# KiCad board kimotor-project.kicad_pcb (continued)
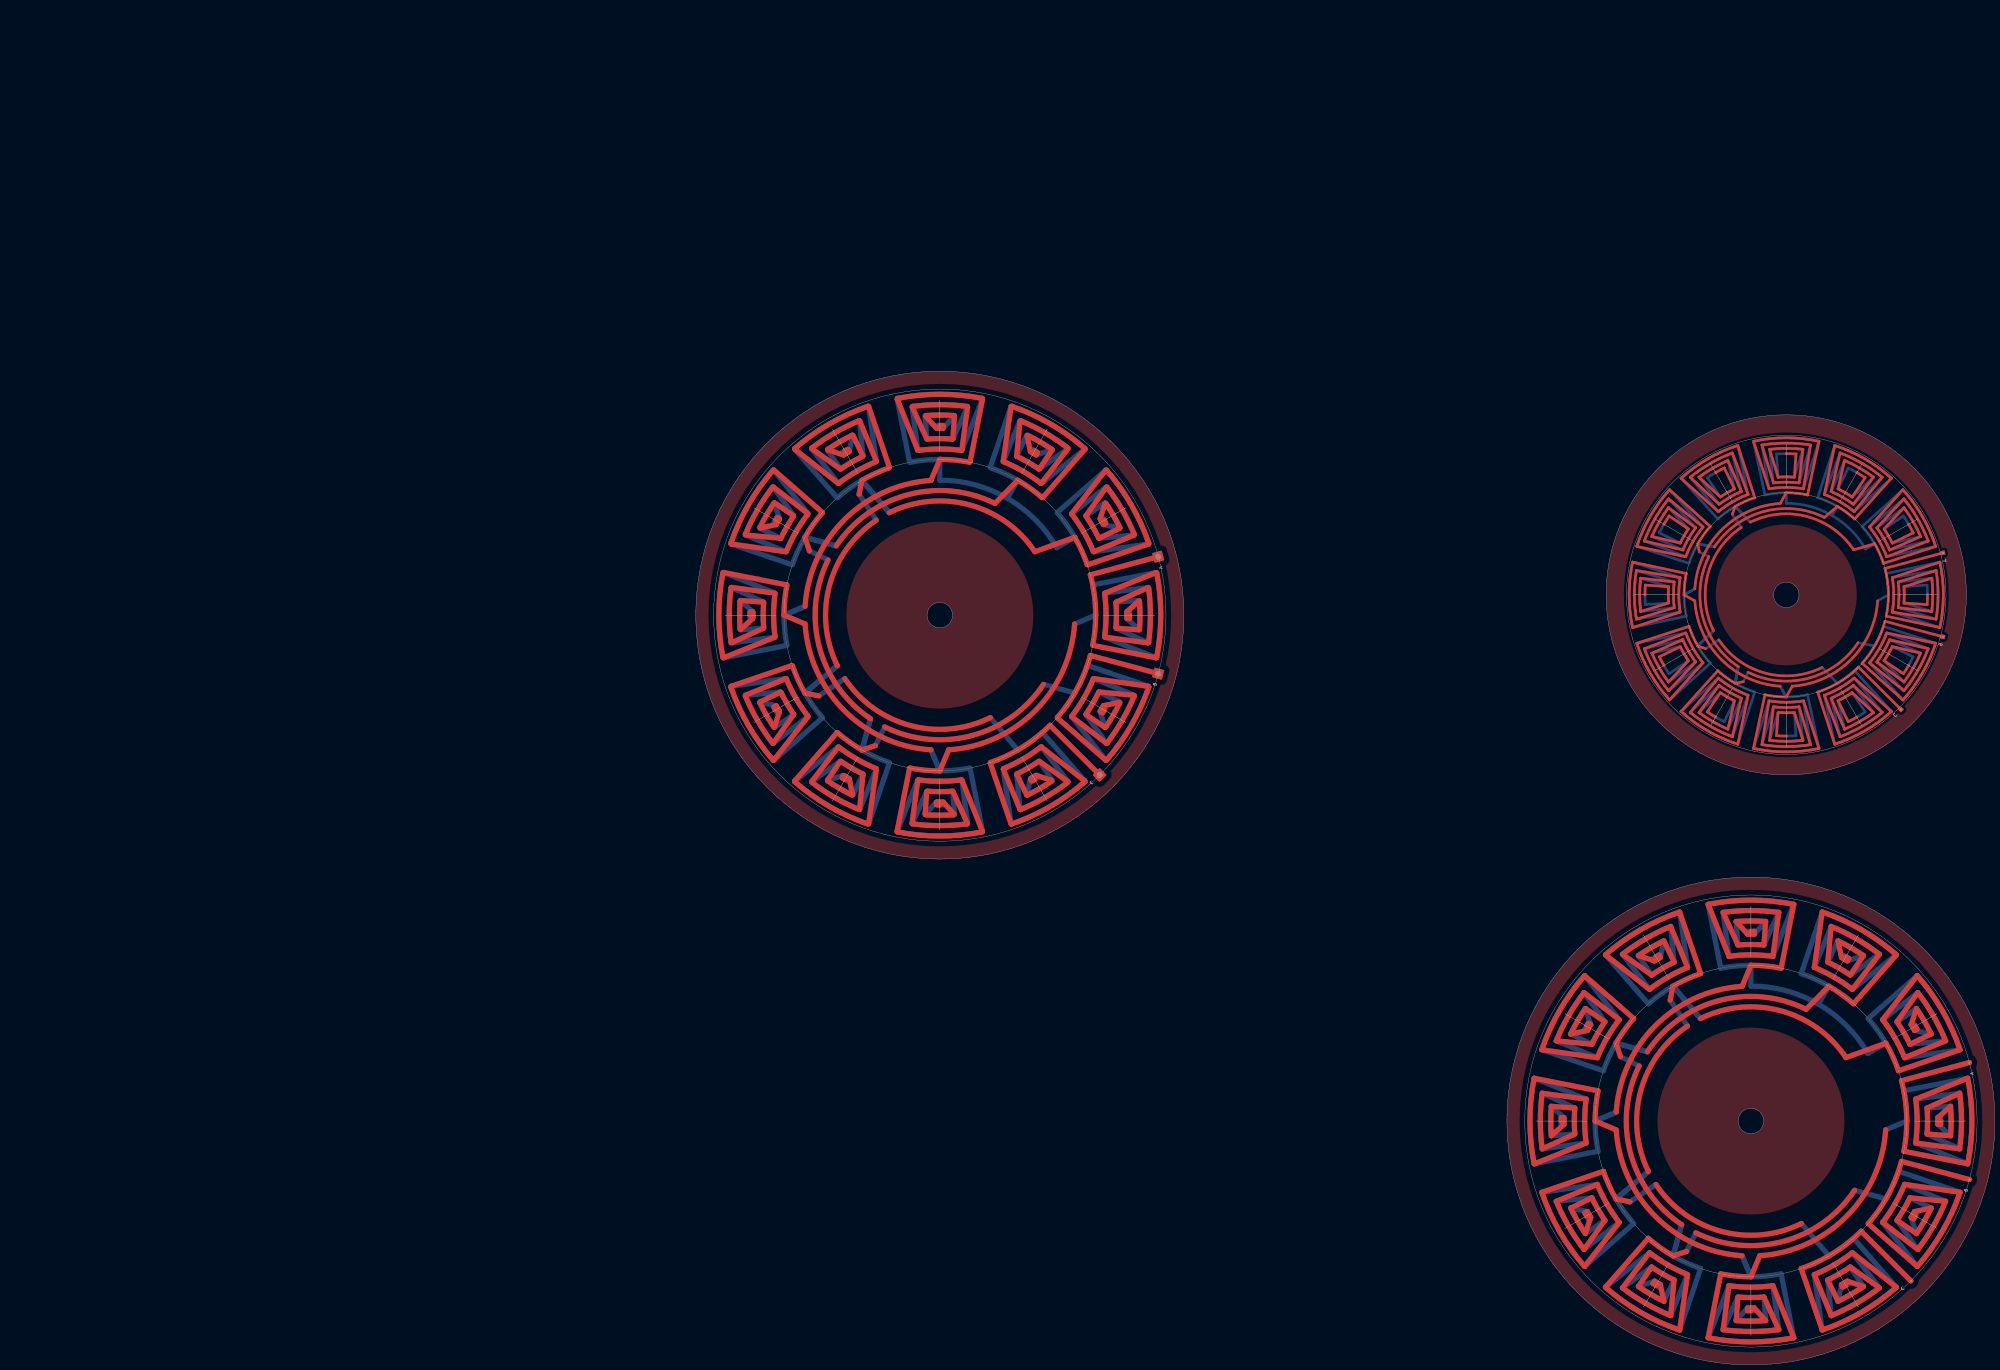
[diagram p0: board, top side]
## Routing (per net, layer and track width the routed paths; a pad name or vN(x,y) marks a point on that pad's centre or on a via; arc(x,y) is an arc through that point) (continued)
; -142.37,439.28 arc(-141.82,446.02) -142.37,452.76 ; -142.37,439.28 arc(-141.82,446.02) -142.37,452.76 ; -142.37,439.28 arc(-141.82,446.02) -142.37,452.76 ; -142.37,439.28 arc(-141.82,446.02) -142.37,452.76 ; -142.37,439.28 arc(-141.82,446.02) -142.37,452.76 ; -142.37,439.28 arc(-141.82,446.02) -142.37,452.76 ; -142.37,439.28 arc(-141.82,446.02) -142.37,452.76 ; -142.37,439.28 arc(-141.82,446.02) -142.37,452.76 ; -142.37,439.28 arc(-141.82,446.02) -142.37,452.76 ; -190.42,389.03 -187.09,399.93 ; -190.42,389.03 -187.09,399.93 ; -190.42,389.03 -187.09,399.93 ; -190.42,389.03 -187.09,399.93 ; -190.42,389.03 -187.09,399.93 ; -190.42,389.03 -187.09,399.93 ; -190.42,389.03 -187.09,399.93 ; -187.09,399.93 -190.36,389.53 ; -187.09,399.93 -190.36,389.53 ; -187.09,399.93 arc(-183.89,399.82) -180.69,399.93 ; -187.09,399.93 arc(-183.89,399.82) -180.69,399.93 ; -187.09,399.93 arc(-183.89,399.82) -180.69,399.93 ; -187.09,399.93 arc(-183.89,399.82) -180.69,399.93 ; -187.09,399.93 arc(-183.89,399.82) -180.69,399.93 ; -187.09,399.93 arc(-183.89,399.82) -180.69,399.93 ; -187.09,399.93 arc(-183.89,399.82) -180.69,399.93 ; -187.09,399.93 arc(-183.89,399.82) -180.69,399.93 ; -187.09,399.93 arc(-183.89,399.82) -180.69,399.93 ; -204.98,501.59 -201.47,486.51 ; -204.98,501.59 -201.47,486.51 ; -204.98,501.59 -201.47,486.51 ; -204.98,501.59 -201.47,486.51 ; -204.98,501.59 -201.47,486.51 ; -204.98,501.59 -201.47,486.51 ; -204.98,501.59 -201.47,486.51 ; -204.98,501.59 arc(-213.61,497.49) -221.47,492.07 ; -204.98,501.59 arc(-213.61,497.49) -221.47,492.07 ; -204.98,501.59 arc(-213.61,497.49) -221.47,492.07 ; -204.98,501.59 arc(-213.61,497.49) -221.47,492.07 ; -204.98,501.59 arc(-213.61,497.49) -221.47,492.07 ; -204.98,501.59 arc(-213.61,497.49) -221.47,492.07 ; -204.98,501.59 arc(-213.61,497.49) -221.47,492.07 ; -201.47,486.51 -204.8,501.12 ; -201.47,486.51 -204.8,501.12 ; -229.98,442.82 -239.05,442.2 ; -229.98,442.82 -238.56,442.23 ; -229.98,442.82 -238.56,442.23 ; -229.98,442.82 -239.05,442.2 ; -229.98,442.82 -239.05,442.2 ; -229.98,442.82 -239.05,442.2 ; -229.98,442.82 -239.05,442.2 ; -229.98,442.82 -239.05,442.2 ; -229.98,442.82 -239.05,442.2 ; -239.05,442.2 arc(-238.71,453.24) -239.19,446.02 ; -239.05,442.2 arc(-238.71,453.24) -239.19,446.02 ; -239.05,442.2 arc(-238.71,453.24) -239.19,446.02 ; -239.05,442.2 arc(-238.71,453.24) -239.19,446.02 ; -239.05,442.2 arc(-238.71,453.24) -239.19,446.02 ; -239.05,442.2 arc(-238.71,453.24) -239.19,446.02 ; -239.05,442.2 arc(-238.71,453.24) -239.19,446.02 ; -187.09,492.11 -187.72,501.19 ; -187.09,492.11 -187.72,501.19 ; -187.09,492.11 -187.68,500.69 ; -187.09,492.11 -187.72,501.19 ; -187.09,492.11 -187.68,500.69 ; -187.09,492.11 -187.72,501.19 ; -187.09,492.11 -187.72,501.19 ; -187.09,492.11 -187.72,501.19 ; -187.09,492.11 -187.72,501.19 ; -187.09,492.11 arc(-183.89,492.23) -180.69,492.11 ; -187.09,492.11 arc(-183.89,492.23) -180.69,492.11 ; -187.09,492.11 arc(-183.89,492.23) -180.69,492.11 ; -187.09,492.11 arc(-183.89,492.23) -180.69,492.11 ; -187.09,492.11 arc(-183.89,492.23) -180.69,492.11 ; -187.09,492.11 arc(-183.89,492.23) -180.69,492.11 ; -187.09,492.11 arc(-183.89,492.23) -180.69,492.11 ; -187.09,492.11 arc(-183.89,492.23) -180.69,492.11 ; -187.09,492.11 arc(-183.89,492.23) -180.69,492.11 ; -187.72,501.19 arc(-176.67,500.84) -183.89,501.32 ; -187.72,501.19 arc(-176.67,500.84) -183.89,501.32 ; -187.72,501.19 arc(-176.67,500.84) -183.89,501.32 ; -187.72,501.19 arc(-176.67,500.84) -183.89,501.32 ; -187.72,501.19 arc(-176.67,500.84) -183.89,501.32 ; -187.72,501.19 arc(-176.67,500.84) -183.89,501.32 ; -187.72,501.19 arc(-176.67,500.84) -183.89,501.32 ; -196.61,386.36 -190.63,404.5 ; -196.61,386.36 -190.63,404.5 ; -196.61,386.36 arc(-183.89,385.02) -171.17,386.36 ; -196.61,386.36 arc(-183.89,385.02) -171.17,386.36 ; -190.63,404.5 -196.72,385.87 ; -190.63,404.5 -196.72,385.87 ; -190.63,404.5 -196.72,385.87 ; -190.63,404.5 -196.72,385.87 ; -190.63,404.5 -196.72,385.87 ; -190.63,404.5 -196.72,385.87 ; -190.63,404.5 -196.72,385.87 ; -206.73,498.64 -204.17,487.54 ; -206.73,498.64 -204.17,487.54 ; -206.73,498.64 -204.17,487.54 ; -206.73,498.64 -204.17,487.54 ; -206.73,498.64 -204.17,487.54 ; -206.73,498.64 -204.17,487.54 ; -206.73,498.64 -204.17,487.54 ; -204.17,487.54 -206.53,498.18 ; -204.17,487.54 -206.53,498.18 ; -204.17,487.54 arc(-206.99,486.04) -209.71,484.34 ; -204.17,487.54 arc(-206.99,486.04) -209.71,484.34 ; -204.17,487.54 arc(-206.99,486.04) -209.71,484.34 ; -204.17,487.54 arc(-206.99,486.04) -209.71,484.34 ; -204.17,487.54 arc(-206.99,486.04) -209.71,484.34 ; -204.17,487.54 arc(-206.99,486.04) -209.71,484.34 ; -204.17,487.54 arc(-206.99,486.04) -209.71,484.34 ; -204.17,487.54 arc(-206.99,486.04) -209.71,484.34 ; -204.17,487.54 arc(-206.99,486.04) -209.71,484.34 ; -244.04,458.85 arc(-245.39,446.02) -244.04,433.2 ; -244.04,458.85 arc(-245.39,446.02) -244.04,433.2 ; -244.04,458.85 arc(-245.39,446.02) -244.04,433.2 ; -244.04,458.85 arc(-245.39,446.02) -244.04,433.2 ; -244.04,458.85 arc(-245.39,446.02) -244.04,433.2 ; -244.04,458.85 arc(-245.39,446.02) -244.04,433.2 ; -244.04,458.85 arc(-245.39,446.02) -244.04,433.2 ; -158.08,407.7 -153,400.16 ; -158.08,407.7 -153,400.16 ; -158.08,407.7 -153,400.16 ; -158.08,407.7 -153,400.16 ; -158.08,407.7 -153.27,400.58 ; -158.08,407.7 -153,400.16 ; -158.08,407.7 -153.27,400.58 ; -158.08,407.7 -153,400.16 ; -158.08,407.7 -153,400.16 ; -153,400.16 arc(-162.73,394.93) -156.24,398.13 ; -153,400.16 arc(-162.73,394.93) -156.24,398.13 ; -153,400.16 arc(-162.73,394.93) -156.24,398.13 ; -153,400.16 arc(-162.73,394.93) -156.24,398.13 ; -153,400.16 arc(-162.73,394.93) -156.24,398.13 ; -153,400.16 arc(-162.73,394.93) -156.24,398.13 ; -153,400.16 arc(-162.73,394.93) -156.24,398.13 ; -138.21,404.84 -151.3,419.42 ; -138.21,404.84 -151.3,419.42 ; -138.21,404.84 -151.3,419.42 ; -138.21,404.84 -151.3,419.42 ; -138.21,404.84 -151.3,419.42 ; -138.21,404.84 -151.3,419.42 ; -138.21,404.84 -151.3,419.42 ; -138.21,404.84 arc(-130.63,415.27) -125.39,427.05 ; -138.21,404.84 arc(-130.63,415.27) -125.39,427.05 ; -138.21,404.84 arc(-130.63,415.27) -125.39,427.05 ; -138.21,404.84 arc(-130.63,415.27) -125.39,427.05 ; -138.21,404.84 arc(-130.63,415.27) -125.39,427.05 ; -138.21,404.84 arc(-130.63,415.27) -125.39,427.05 ; -138.21,404.84 arc(-130.63,415.27) -125.39,427.05 ; -151.3,419.42 -138.58,405.18 ; -151.3,419.42 -138.58,405.18 ; -151.3,419.42 arc(-147.46,424.99) -144.56,431.1 ; -151.3,419.42 arc(-147.46,424.99) -144.56,431.1 ; -151.3,419.42 arc(-147.46,424.99) -144.56,431.1 ; -151.3,419.42 arc(-147.46,424.99) -144.56,431.1 ; -151.3,419.42 arc(-147.46,424.99) -144.56,431.1 ; -151.3,419.42 arc(-147.46,424.99) -144.56,431.1 ; -151.3,419.42 arc(-147.46,424.99) -144.56,431.1 ; -151.3,419.42 arc(-147.46,424.99) -144.56,431.1 ; -151.3,419.42 arc(-147.46,424.99) -144.56,431.1 ; -209.71,484.34 -214.79,491.88 ; -209.71,484.34 -214.79,491.88 ; -209.71,484.34 -214.51,491.47 ; -209.71,484.34 -214.51,491.47 ; -209.71,484.34 -214.79,491.88 ; -209.71,484.34 -214.79,491.88 ; -209.71,484.34 -214.79,491.88 ; -209.71,484.34 -214.79,491.88 ; -209.71,484.34 -214.79,491.88 ; -214.79,491.88 arc(-205.05,497.11) -211.54,493.91 ; -214.79,491.88 arc(-205.05,497.11) -211.54,493.91 ; -214.79,491.88 arc(-205.05,497.11) -211.54,493.91 ; -214.79,491.88 arc(-205.05,497.11) -211.54,493.91 ; -214.79,491.88 arc(-205.05,497.11) -211.54,493.91 ; -214.79,491.88 arc(-205.05,497.11) -211.54,493.91 ; -214.79,491.88 arc(-205.05,497.11) -211.54,493.91 ; -146.63,400.36 arc(-154.42,394.99) -162.98,390.92 ; -146.63,400.36 arc(-154.42,394.99) -162.98,390.92 ; -202.86,504.52 -198.82,485.35 ; -202.86,504.52 -198.82,485.35 ; -202.86,504.52 -198.82,485.35 ; -202.86,504.52 -198.82,485.35 ; -202.86,504.52 -198.82,485.35 ; -202.86,504.52 -198.82,485.35 ; -202.86,504.52 -198.82,485.35 ; -198.82,485.35 -202.7,504.05 ; -198.82,485.35 -202.7,504.05 ; -198.82,485.35 arc(-204.92,482.45) -210.49,478.61 ; -198.82,485.35 arc(-204.92,482.45) -210.49,478.61 ; -198.82,485.35 arc(-204.92,482.45) -210.49,478.61 ; -198.82,485.35 arc(-204.92,482.45) -210.49,478.61 ; -198.82,485.35 arc(-204.92,482.45) -210.49,478.61 ; -198.82,485.35 arc(-204.92,482.45) -210.49,478.61 ; -198.82,485.35 arc(-204.92,482.45) -210.49,478.61 ; -198.82,485.35 arc(-204.92,482.45) -210.49,478.61 ; -198.82,485.35 arc(-204.92,482.45) -210.49,478.61 ; -137.85,408.44 -148.43,419.75 ; -137.85,408.44 -148.43,419.75 ; -137.85,408.44 -148.43,419.75 ; -137.85,408.44 -148.43,419.75 ; -137.85,408.44 -148.43,419.75 ; -137.85,408.44 -148.43,419.75 ; -137.85,408.44 -148.43,419.75 ; -137.85,408.44 arc(-132.42,416.31) -128.33,424.94 ; -137.85,408.44 arc(-132.42,416.31) -128.33,424.94 ; -137.85,408.44 arc(-132.42,416.31) -128.33,424.94 ; -137.85,408.44 arc(-132.42,416.31) -128.33,424.94 ; -137.85,408.44 arc(-132.42,416.31) -128.33,424.94 ; -137.85,408.44 arc(-132.42,416.31) -128.33,424.94 ; -137.85,408.44 arc(-132.42,416.31) -128.33,424.94 ; -148.43,419.75 -138.23,408.76 ; -148.43,419.75 -138.23,408.76 ; -148.43,419.75 arc(-145.67,423.95) -143.41,428.45 ; -148.43,419.75 arc(-145.67,423.95) -143.41,428.45 ; -148.43,419.75 arc(-145.67,423.95) -143.41,428.45 ; -148.43,419.75 arc(-145.67,423.95) -143.41,428.45 ; -148.43,419.75 arc(-145.67,423.95) -143.41,428.45 ; -148.43,419.75 arc(-145.67,423.95) -143.41,428.45 ; -148.43,419.75 arc(-145.67,423.95) -143.41,428.45 ; -148.43,419.75 arc(-145.67,423.95) -143.41,428.45 ; -148.43,419.75 arc(-145.67,423.95) -143.41,428.45 ; -225.42,439.28 -242.55,436.5 ; -225.42,439.28 -242.55,436.5 ; -225.42,439.28 -242.55,436.5 ; -225.42,439.28 -242.06,436.58 ; -225.42,439.28 -242.55,436.5 ; -225.42,439.28 -242.06,436.58 ; -225.42,439.28 -242.55,436.5 ; -225.42,439.28 -242.55,436.5 ; -225.42,439.28 -242.55,436.5 ; -242.55,436.5 arc(-243.32,446.02) -242.55,455.54 ; -242.55,436.5 arc(-243.32,446.02) -242.55,455.54 ; -242.55,436.5 arc(-243.32,446.02) -242.55,455.54 ; -242.55,436.5 arc(-243.32,446.02) -242.55,455.54 ; -242.55,436.5 arc(-243.32,446.02) -242.55,455.54 ; -242.55,436.5 arc(-243.32,446.02) -242.55,455.54 ; -242.55,436.5 arc(-243.32,446.02) -242.55,455.54 ; -142.71,491.7 -157.29,478.61 ; -142.71,491.7 -157.29,478.61 ; -142.71,491.7 -157.29,478.61 ; -142.71,491.7 -157.29,478.61 ; -142.71,491.7 -157.29,478.61 ; -142.71,491.7 -157.29,478.61 ; -142.71,491.7 -157.29,478.61 ; -142.71,491.7 arc(-153.14,499.28) -164.92,504.52 ; -142.71,491.7 arc(-153.14,499.28) -164.92,504.52 ; -142.71,491.7 arc(-153.14,499.28) -164.92,504.52 ; -142.71,491.7 arc(-153.14,499.28) -164.92,504.52 ; -142.71,491.7 arc(-153.14,499.28) -164.92,504.52 ; -142.71,491.7 arc(-153.14,499.28) -164.92,504.52 ; -142.71,491.7 arc(-153.14,499.28) -164.92,504.52 ; -157.29,478.61 -143.04,491.33 ; -157.29,478.61 -143.04,491.33 ; -174.45,504.19 -178.87,489.87 ; -174.45,504.19 -178.87,489.87 ; -174.45,504.19 arc(-183.89,504.95) -193.33,504.19 ; -174.45,504.19 arc(-183.89,504.95) -193.33,504.19 ; -178.87,489.87 -174.37,504.69 ; -178.87,489.87 -174.37,504.69 ; -178.87,489.87 -174.37,504.69 ; -178.87,489.87 -174.37,504.69 ; -178.87,489.87 -174.37,504.69 ; -178.87,489.87 -174.37,504.69 ; -178.87,489.87 -174.37,504.69 ; -143.41,428.45 -131.27,423.18 ; -143.41,428.45 -131.73,423.38 ; -143.41,428.45 -131.27,423.18 ; -143.41,428.45 -131.27,423.18 ; -143.41,428.45 -131.27,423.18 ; -143.41,428.45 -131.27,423.18 ; -143.41,428.45 -131.27,423.18 ; -143.41,428.45 -131.73,423.38 ; -143.41,428.45 -131.27,423.18 ; -190.36,389.53 arc(-183.89,389.16) -177.42,389.53 ; -190.36,389.53 arc(-183.89,389.16) -177.42,389.53 ; -142.37,425.74 -134.2,421.75 ; -142.37,425.74 -134.2,421.75 ; -142.37,425.74 -134.2,421.75 ; -142.37,425.74 -134.65,421.97 ; -142.37,425.74 -134.2,421.75 ; -142.37,425.74 -134.2,421.75 ; -142.37,425.74 -134.2,421.75 ; -142.37,425.74 -134.2,421.75 ; -142.37,425.74 -134.65,421.97 ; -134.2,421.75 arc(-140.02,412.36) -136,418.37 ; -134.2,421.75 arc(-140.02,412.36) -136,418.37 ; -134.2,421.75 arc(-140.02,412.36) -136,418.37 ; -134.2,421.75 arc(-140.02,412.36) -136,418.37 ; -134.2,421.75 arc(-140.02,412.36) -136,418.37 ; -134.2,421.75 arc(-140.02,412.36) -136,418.37 ; -134.2,421.75 arc(-140.02,412.36) -136,418.37 ; -214.51,491.47 arc(-204.86,496.65) -211.29,493.48 arc(-204.86,496.65) -214.51,491.47 ; -157.11,416.31 -142.71,400.34 ; -157.11,416.31 -142.71,400.34 ; -157.11,416.31 -143.04,400.72 ; -157.11,416.31 -143.04,400.72 ; -157.11,416.31 -142.71,400.34 ; -157.11,416.31 -142.71,400.34 ; -157.11,416.31 -142.71,400.34 ; -157.11,416.31 -142.71,400.34 ; -157.11,416.31 -142.71,400.34 ; -157.11,416.31 arc(-168.58,409.07) -163.89,411.38 ; -157.11,416.31 arc(-168.58,409.07) -163.89,411.38 ; -157.11,416.31 arc(-168.58,409.07) -163.89,411.38 ; -157.11,416.31 arc(-168.58,409.07) -163.89,411.38 ; -157.11,416.31 arc(-168.58,409.07) -163.89,411.38 ; -157.11,416.31 arc(-168.58,409.07) -163.89,411.38 ; -157.11,416.31 arc(-168.58,409.07) -163.89,411.38 ; -157.11,416.31 arc(-168.58,409.07) -163.89,411.38 ; -157.11,416.31 arc(-168.58,409.07) -163.89,411.38 ; -146.63,491.68 -157.62,481.49 ; -146.63,491.68 -157.62,481.49 ; -157.62,481.49 -146.31,492.07 ; -157.62,481.49 -146.31,492.07 ; -157.62,481.49 -146.31,492.07 ; -157.62,481.49 -146.31,492.07 ; -157.62,481.49 -146.31,492.07 ; -157.62,481.49 -146.31,492.07 ; -157.62,481.49 -146.31,492.07 ; -149.74,492.11 -158.08,484.34 ; -149.74,492.11 -158.08,484.34 ; -149.74,492.11 -158.08,484.34 ; -149.74,492.11 -158.08,484.34 ; -149.74,492.11 -158.08,484.34 ; -149.74,492.11 -158.08,484.34 ; -149.74,492.11 -158.08,484.34 ; -158.08,484.34 -150.04,491.71 ; -158.08,484.34 -150.04,491.71 ; -158.08,484.34 arc(-160.79,486.04) -163.61,487.54 ; -158.08,484.34 arc(-160.79,486.04) -163.61,487.54 ; -158.08,484.34 arc(-160.79,486.04) -163.61,487.54 ; -158.08,484.34 arc(-160.79,486.04) -163.61,487.54 ; -158.08,484.34 arc(-160.79,486.04) -163.61,487.54 ; -158.08,484.34 arc(-160.79,486.04) -163.61,487.54 ; -158.08,484.34 arc(-160.79,486.04) -163.61,487.54 ; -158.08,484.34 arc(-160.79,486.04) -163.61,487.54 ; -158.08,484.34 arc(-160.79,486.04) -163.61,487.54 ; -131.73,423.38 arc(-134.64,417.59) -138.2,412.17 ; -131.73,423.38 arc(-134.64,417.59) -138.2,412.17 ; -145.84,433.69 -125.39,427.05 ; -145.84,433.69 -125.86,427.21 ; -145.84,433.69 -125.39,427.05 ; -145.84,433.69 -125.39,427.05 ; -145.84,433.69 -125.39,427.05 ; -145.84,433.69 -125.86,427.21 ; -145.84,433.69 -125.39,427.05 ; -145.84,433.69 -125.39,427.05 ; -145.84,433.69 -125.39,427.05 ; -145.84,433.69 arc(-152.16,421.67) -149.25,426.02 ; -145.84,433.69 arc(-152.16,421.67) -149.25,426.02 ; -145.84,433.69 arc(-152.16,421.67) -149.25,426.02 ; -145.84,433.69 arc(-152.16,421.67) -149.25,426.02 ; -145.84,433.69 arc(-152.16,421.67) -149.25,426.02 ; -145.84,433.69 arc(-152.16,421.67) -149.25,426.02 ; -145.84,433.69 arc(-152.16,421.67) -149.25,426.02 ; -145.84,433.69 arc(-152.16,421.67) -149.25,426.02 ; -145.84,433.69 arc(-152.16,421.67) -149.25,426.02 ; -238.56,442.23 arc(-238.22,453.17) -238.69,446.02 arc(-238.22,453.17) -238.56,442.23 ; -177.36,503.01 -180.69,492.11 ; -177.36,503.01 -180.69,492.11 ; -177.36,503.01 -180.69,492.11 ; -177.36,503.01 -180.69,492.11 ; -177.36,503.01 -180.69,492.11 ; -177.36,503.01 -180.69,492.11 ; -177.36,503.01 -180.69,492.11 ; -180.69,492.11 -177.42,502.52 ; -180.69,492.11 -177.42,502.52 ; -218.04,399.93 -209.71,407.7 ; -218.04,399.93 -209.71,407.7 ; -218.04,399.93 -209.71,407.7 ; -218.04,399.93 -209.71,407.7 ; -218.04,399.93 -209.71,407.7 ; -218.04,399.93 -209.71,407.7 ; -218.04,399.93 -209.71,407.7 ; -209.71,407.7 -217.74,400.33 ; -209.71,407.7 -217.74,400.33 ; -202.86,387.52 arc(-214.64,392.76) -225.07,400.34 ; -202.86,387.52 arc(-214.64,392.76) -225.07,400.34 ; -202.86,387.52 arc(-214.64,392.76) -225.07,400.34 ; -202.86,387.52 arc(-214.64,392.76) -225.07,400.34 ; -202.86,387.52 arc(-214.64,392.76) -225.07,400.34 ; -202.86,387.52 arc(-214.64,392.76) -225.07,400.34 ; -202.86,387.52 arc(-214.64,392.76) -225.07,400.34 ; -241.92,427.21 -223.22,431.1 ; -241.92,427.21 -223.22,431.1 ; -241.92,427.21 arc(-236.72,415.52) -229.2,405.18 ; -241.92,427.21 arc(-236.72,415.52) -229.2,405.18 ; -223.22,431.1 -242.39,427.05 ; -223.22,431.1 -242.39,427.05 ; -223.22,431.1 -242.39,427.05 ; -223.22,431.1 -242.39,427.05 ; -223.22,431.1 -242.39,427.05 ; -223.22,431.1 -242.39,427.05 ; -223.22,431.1 -242.39,427.05 ; -213.6,419.24 -229.57,404.84 ; -213.6,419.24 -229.57,404.84 ; -213.6,419.24 -229.57,404.84 ; -213.6,419.24 -229.57,404.84 ; -213.6,419.24 -229.57,404.84 ; -213.6,419.24 -229.2,405.18 ; -213.6,419.24 -229.57,404.84 ; -213.6,419.24 -229.2,405.18 ; -213.6,419.24 -229.57,404.84 ; -213.6,419.24 arc(-220.85,430.71) -218.53,426.02 ; -213.6,419.24 arc(-220.85,430.71) -218.53,426.02 ; -213.6,419.24 arc(-220.85,430.71) -218.53,426.02 ; -213.6,419.24 arc(-220.85,430.71) -218.53,426.02 ; -213.6,419.24 arc(-220.85,430.71) -218.53,426.02 ; -213.6,419.24 arc(-220.85,430.71) -218.53,426.02 ; -213.6,419.24 arc(-220.85,430.71) -218.53,426.02 ; -213.6,419.24 arc(-220.85,430.71) -218.53,426.02 ; -213.6,419.24 arc(-220.85,430.71) -218.53,426.02 ; -229.57,404.84 arc(-237.15,415.27) -242.39,427.05 ; -229.57,404.84 arc(-237.15,415.27) -242.39,427.05 ; -229.57,404.84 arc(-237.15,415.27) -242.39,427.05 ; -229.57,404.84 arc(-237.15,415.27) -242.39,427.05 ; -229.57,404.84 arc(-237.15,415.27) -242.39,427.05 ; -229.57,404.84 arc(-237.15,415.27) -242.39,427.05 ; -229.57,404.84 arc(-237.15,415.27) -242.39,427.05 ; -157.62,410.56 -149.74,399.93 ; -157.62,410.56 -149.74,399.93 ; -157.62,410.56 -149.74,399.93 ; -157.62,410.56 -150.04,400.33 ; -157.62,410.56 -150.04,400.33 ; -157.62,410.56 -149.74,399.93 ; -157.62,410.56 -149.74,399.93 ; -157.62,410.56 -149.74,399.93 ; -157.62,410.56 -149.74,399.93 ; -180.69,399.93 -180.06,390.86 ; -180.69,399.93 -180.06,390.86 ; -180.69,399.93 -180.1,391.36 ; -180.69,399.93 -180.1,391.36 ; -180.69,399.93 -180.06,390.86 ; -180.69,399.93 -180.06,390.86 ; -180.69,399.93 -180.06,390.86 ; -180.69,399.93 -180.06,390.86 ; -180.69,399.93 -180.06,390.86 ; -180.06,390.86 arc(-191.11,391.2) -183.89,390.73 ; -180.06,390.86 arc(-191.11,391.2) -183.89,390.73 ; -180.06,390.86 arc(-191.11,391.2) -183.89,390.73 ; -180.06,390.86 arc(-191.11,391.2) -183.89,390.73 ; -180.06,390.86 arc(-191.11,391.2) -183.89,390.73 ; -180.06,390.86 arc(-191.11,391.2) -183.89,390.73 ; -180.06,390.86 arc(-191.11,391.2) -183.89,390.73 ; -146.31,492.07 arc(-154.17,497.49) -162.8,501.59 ; -146.31,492.07 arc(-154.17,497.49) -162.8,501.59 ; -146.31,492.07 arc(-154.17,497.49) -162.8,501.59 ; -146.31,492.07 arc(-154.17,497.49) -162.8,501.59 ; -146.31,492.07 arc(-154.17,497.49) -162.8,501.59 ; -146.31,492.07 arc(-154.17,497.49) -162.8,501.59 ; -146.31,492.07 arc(-154.17,497.49) -162.8,501.59 ; -229.55,408.76 arc(-234.93,416.56) -238.99,425.11 ; -229.55,408.76 arc(-234.93,416.56) -238.99,425.11 ; -190.36,502.52 arc(-183.89,502.89) -177.42,502.52 ; -190.36,502.52 arc(-183.89,502.89) -177.42,502.52 ; -210.49,478.61 -221.47,492.07 ; -210.49,478.61 -221.47,492.07 ; -210.49,478.61 -221.15,491.68 ; -210.49,478.61 -221.47,492.07 ; -210.49,478.61 -221.47,492.07 ; -210.49,478.61 -221.47,492.07 ; -210.49,478.61 -221.47,492.07 ; -210.49,478.61 -221.47,492.07 ; -210.49,478.61 -221.15,491.68 ; -171.55,484.07 -165.08,504.05 ; -171.55,484.07 -164.92,504.52 ; -171.55,484.07 -165.08,504.05 ; -171.55,484.07 -164.92,504.52 ; -171.55,484.07 -164.92,504.52 ; -171.55,484.07 -164.92,504.52 ; -171.55,484.07 -164.92,504.52 ; -171.55,484.07 -164.92,504.52 ; -171.55,484.07 -164.92,504.52 ; -171.55,484.07 arc(-159.54,477.76) -163.89,480.66 ; -171.55,484.07 arc(-159.54,477.76) -163.89,480.66 ; -171.55,484.07 arc(-159.54,477.76) -163.89,480.66 ; -171.55,484.07 arc(-159.54,477.76) -163.89,480.66 ; -171.55,484.07 arc(-159.54,477.76) -163.89,480.66 ; -171.55,484.07 arc(-159.54,477.76) -163.89,480.66 ; -171.55,484.07 arc(-159.54,477.76) -163.89,480.66 ; -171.55,484.07 arc(-159.54,477.76) -163.89,480.66 ; -171.55,484.07 arc(-159.54,477.76) -163.89,480.66 ; -165.08,504.05 arc(-153.39,498.85) -143.04,491.33 ; -165.08,504.05 arc(-153.39,498.85) -143.04,491.33 ; -229.93,483.6 -219.35,472.3 ; -229.93,483.6 -219.35,472.3 ; -229.93,483.6 -219.35,472.3 ; -229.93,483.6 -219.35,472.3 ; -229.93,483.6 -219.35,472.3 ; -229.93,483.6 -219.35,472.3 ; -229.93,483.6 -219.35,472.3 ; -219.35,472.3 -229.55,483.28 ; -219.35,472.3 -229.55,483.28 ; -128.79,466.93 -143.41,463.6 ; -128.79,466.93 -143.41,463.6 ; -128.79,466.93 arc(-132.85,475.49) -138.23,483.28 ; -128.79,466.93 arc(-132.85,475.49) -138.23,483.28 ; -143.41,463.6 -128.33,467.11 ; -143.41,463.6 -128.33,467.11 ; -143.41,463.6 -128.33,467.11 ; -143.41,463.6 -128.33,467.11 ; -143.41,463.6 -128.33,467.11 ; -143.41,463.6 -128.33,467.11 ; -143.41,463.6 -128.33,467.11 ; -204.8,501.12 arc(-213.36,497.06) -221.15,491.68 ; -204.8,501.12 arc(-213.36,497.06) -221.15,491.68 ; -125.86,427.21 arc(-131.06,415.52) -138.58,405.18 ; -125.86,427.21 arc(-131.06,415.52) -138.58,405.18 ; -219.35,419.75 -229.98,411.87 ; -219.35,419.75 -229.58,412.17 ; -219.35,419.75 -229.58,412.17 ; -219.35,419.75 -229.98,411.87 ; -219.35,419.75 -229.98,411.87 ; -219.35,419.75 -229.98,411.87 ; -219.35,419.75 -229.98,411.87 ; -219.35,419.75 -229.98,411.87 ; -219.35,419.75 -229.98,411.87 ; -238.99,466.93 arc(-234.93,475.49) -229.55,483.28 ; -238.99,466.93 arc(-234.93,475.49) -229.55,483.28 ; -151.3,472.62 -137.85,483.6 ; -151.3,472.62 -138.23,483.28 ; -151.3,472.62 -137.85,483.6 ; -151.3,472.62 -137.85,483.6 ; -151.3,472.62 -137.85,483.6 ; -151.3,472.62 -137.85,483.6 ; -151.3,472.62 -137.85,483.6 ; -151.3,472.62 -138.23,483.28 ; -151.3,472.62 -137.85,483.6 ; -137.85,483.6 arc(-132.42,475.74) -128.33,467.11 ; -137.85,483.6 arc(-132.42,475.74) -128.33,467.11 ; -137.85,483.6 arc(-132.42,475.74) -128.33,467.11 ; -137.85,483.6 arc(-132.42,475.74) -128.33,467.11 ; -137.85,483.6 arc(-132.42,475.74) -128.33,467.11 ; -137.85,483.6 arc(-132.42,475.74) -128.33,467.11 ; -137.85,483.6 arc(-132.42,475.74) -128.33,467.11 ; -208.16,396.34 arc(-217.55,402.15) -211.54,398.13 ; -208.16,396.34 arc(-217.55,402.15) -211.54,398.13 ; -208.16,396.34 arc(-217.55,402.15) -211.54,398.13 ; -208.16,396.34 arc(-217.55,402.15) -211.54,398.13 ; -208.16,396.34 arc(-217.55,402.15) -211.54,398.13 ; -208.16,396.34 arc(-217.55,402.15) -211.54,398.13 ; -208.16,396.34 arc(-217.55,402.15) -211.54,398.13 ; -143.04,400.72 arc(-153.39,393.19) -165.08,388 ; -143.04,400.72 arc(-153.39,393.19) -165.08,388 ; -140.04,451.04 -127.4,452.49 ; -140.04,451.04 -126.9,452.55 ; -140.04,451.04 -126.9,452.55 ; -140.04,451.04 -126.9,452.55 ; -140.04,451.04 -126.9,452.55 ; -140.04,451.04 -126.9,452.55 ; -140.04,451.04 -126.9,452.55 ; -140.04,451.04 -126.9,452.55 ; -140.04,451.04 -127.4,452.49 ; -127.4,452.49 arc(-127.03,446.02) -127.4,439.55 ; -127.4,452.49 arc(-127.03,446.02) -127.4,439.55 ; -222.21,420.21 -229.75,415.13 ; -222.21,420.21 -229.75,415.13 ; -222.21,420.21 -229.75,415.13 ; -222.21,420.21 -229.75,415.13 ; -222.21,420.21 -229.75,415.13 ; -222.21,420.21 -229.34,415.41 ; -222.21,420.21 -229.75,415.13 ; -222.21,420.21 -229.75,415.13 ; -222.21,420.21 -229.34,415.41 ; -229.75,415.13 arc(-234.98,424.86) -231.78,418.37 ; -229.75,415.13 arc(-234.98,424.86) -231.78,418.37 ; -229.75,415.13 arc(-234.98,424.86) -231.78,418.37 ; -229.75,415.13 arc(-234.98,424.86) -231.78,418.37 ; -229.75,415.13 arc(-234.98,424.86) -231.78,418.37 ; -229.75,415.13 arc(-234.98,424.86) -231.78,418.37 ; -229.75,415.13 arc(-234.98,424.86) -231.78,418.37 ; -225.07,400.34 -210.49,413.43 ; -225.07,400.34 -210.49,413.43 ; -225.07,400.34 -210.49,413.43 ; -225.07,400.34 -210.49,413.43 ; -225.07,400.34 -210.49,413.43 ; -225.07,400.34 -210.49,413.43 ; -225.07,400.34 -210.49,413.43 ; -210.49,413.43 -224.74,400.72 ; -210.49,413.43 -224.74,400.72 ; -142.37,452.76 -125.23,455.54 ; -142.37,452.76 -125.23,455.54 ; -142.37,452.76 -125.23,455.54 ; -142.37,452.76 -125.72,455.46 ; -142.37,452.76 -125.72,455.46 ; -142.37,452.76 -125.23,455.54 ; -142.37,452.76 -125.23,455.54 ; -142.37,452.76 -125.23,455.54 ; -142.37,452.76 -125.23,455.54 ; -204.8,390.92 arc(-213.36,394.99) -221.15,400.36 ; -204.8,390.92 arc(-213.36,394.99) -221.15,400.36 ; -224.74,491.33 arc(-214.39,498.85) -202.7,504.05 ; -224.74,491.33 arc(-214.39,498.85) -202.7,504.05 ; -242.55,455.54 -227.74,451.04 ; -242.55,455.54 -227.74,451.04 ; -242.55,455.54 -227.74,451.04 ; -242.55,455.54 -227.74,451.04 ; -242.55,455.54 -227.74,451.04 ; -242.55,455.54 -227.74,451.04 ; -242.55,455.54 -227.74,451.04 ; -227.74,451.04 -242.06,455.46 ; -227.74,451.04 -242.06,455.46 ; -229.2,486.87 arc(-236.72,476.52) -241.92,464.83 ; -229.2,486.87 arc(-236.72,476.52) -241.92,464.83 ; -180.1,391.36 arc(-191.04,391.69) -183.89,391.23 arc(-191.04,391.69) -180.1,391.36 ; -171.17,505.68 arc(-183.89,507.02) -196.61,505.68 ; -171.17,505.68 arc(-183.89,507.02) -196.61,505.68 ; -242.06,455.46 arc(-242.82,446.02) -242.06,436.58 ; -242.06,455.46 arc(-242.82,446.02) -242.06,436.58 ; -138.45,476.64 arc(-133.27,466.99) -136.44,473.42 arc(-133.27,466.99) -138.45,476.64 ; -229.58,412.17 arc(-233.14,417.59) -236.05,423.38 ; -229.58,412.17 arc(-233.14,417.59) -236.05,423.38 ; -163.61,487.54 -159.62,495.71 ; -163.61,487.54 -159.62,495.71 ; -163.61,487.54 -159.84,495.26 ; -163.61,487.54 -159.62,495.71 ; -163.61,487.54 -159.84,495.26 ; -163.61,487.54 -159.62,495.71 ; -163.61,487.54 -159.62,495.71 ; -163.61,487.54 -159.62,495.71 ; -163.61,487.54 -159.62,495.71 ; -159.62,495.71 arc(-150.23,489.89) -156.24,493.91 ; -159.62,495.71 arc(-150.23,489.89) -156.24,493.91 ; -159.62,495.71 arc(-150.23,489.89) -156.24,493.91 ; -159.62,495.71 arc(-150.23,489.89) -156.24,493.91 ; -159.62,495.71 arc(-150.23,489.89) -156.24,493.91 ; -159.62,495.71 arc(-150.23,489.89) -156.24,493.91 ; -159.62,495.71 arc(-150.23,489.89) -156.24,493.91 ; -144.56,431.1 -128.33,424.94 ; -144.56,431.1 -128.79,425.11 ; -144.56,431.1 -128.33,424.94 ; -144.56,431.1 -128.33,424.94 ; -144.56,431.1 -128.33,424.94 ; -144.56,431.1 -128.33,424.94 ; -144.56,431.1 -128.33,424.94 ; -144.56,431.1 -128.79,425.11 ; -144.56,431.1 -128.33,424.94 ; -193.33,387.85 arc(-183.89,387.09) -174.45,387.85 ; -193.33,387.85 arc(-183.89,387.09) -174.45,387.85 ; -159.84,495.26 arc(-150.53,489.49) -156.49,493.48 arc(-150.53,489.49) -159.84,495.26 ; -137.8,449.22 -128.73,449.85 ; -137.8,449.22 -128.73,449.85 ; -137.8,449.22 -128.73,449.85 ; -137.8,449.22 -128.73,449.85 ; -137.8,449.22 -128.73,449.85 ; -137.8,449.22 -129.23,449.81 ; -137.8,449.22 -128.73,449.85 ; -137.8,449.22 -129.23,449.81 ; -137.8,449.22 -128.73,449.85 ; -128.73,449.85 arc(-129.07,438.8) -128.59,446.02 ; -128.73,449.85 arc(-129.07,438.8) -128.59,446.02 ; -128.73,449.85 arc(-129.07,438.8) -128.59,446.02 ; -128.73,449.85 arc(-129.07,438.8) -128.59,446.02 ; -128.73,449.85 arc(-129.07,438.8) -128.59,446.02 ; -128.73,449.85 arc(-129.07,438.8) -128.59,446.02 ; -128.73,449.85 arc(-129.07,438.8) -128.59,446.02 ; -161.25,498.18 arc(-155.46,495.27) -150.04,491.71 ; -161.25,498.18 arc(-155.46,495.27) -150.04,491.71 ; -187.68,500.69 arc(-176.74,500.35) -183.89,500.82 arc(-176.74,500.35) -187.68,500.69 ; -128.79,425.11 arc(-132.85,416.56) -138.23,408.76 ; -128.79,425.11 arc(-132.85,416.56) -138.23,408.76 ; -150.04,400.33 arc(-155.46,396.78) -161.25,393.86 ; -150.04,400.33 arc(-155.46,396.78) -161.25,393.86 ; -153.27,400.58 arc(-162.92,395.4) -156.49,398.57 arc(-162.92,395.4) -153.27,400.58 ; -217.74,491.71 arc(-212.32,495.27) -206.53,498.18 ; -217.74,491.71 arc(-212.32,495.27) -206.53,498.18 ; -206.53,393.86 arc(-212.32,396.78) -217.74,400.33 ; -206.53,393.86 arc(-212.32,396.78) -217.74,400.33 ; -129.23,449.81 arc(-129.56,438.87) -129.09,446.02 arc(-129.56,438.87) -129.23,449.81 ; -233.13,470.07 arc(-227.36,479.38) -231.35,473.42 arc(-227.36,479.38) -233.13,470.07 ; -125.72,455.46 arc(-124.96,446.02) -125.72,436.58 ; -125.72,455.46 arc(-124.96,446.02) -125.72,436.58 ; -134.65,421.97 arc(-140.42,412.66) -136.44,418.62 arc(-140.42,412.66) -134.65,421.97 ; -229.34,415.41 arc(-234.52,425.05) -231.35,418.62 arc(-234.52,425.05) -229.34,415.41
  In8.Cu w1.034: -213.6,472.81 -229.57,487.2 ; -213.6,472.81 -229.57,487.2 ; -213.6,472.81 -229.57,487.2 ; -213.6,472.81 -229.57,487.2 ; -213.6,472.81 -229.57,487.2 ; -213.6,472.81 -229.2,486.87 ; -213.6,472.81 -229.57,487.2 ; -213.6,472.81 -229.2,486.87 ; -213.6,472.81 -229.57,487.2 ; -213.6,472.81 arc(-215.62,470.37) -218.53,466.02 ; -213.6,472.81 arc(-215.62,470.37) -218.53,466.02 ; -213.6,472.81 arc(-215.62,470.37) -218.53,466.02 ; -213.6,472.81 arc(-215.62,470.37) -218.53,466.02 ; -213.6,472.81 arc(-215.62,470.37) -218.53,466.02 ; -213.6,472.81 arc(-215.62,470.37) -218.53,466.02 ; -213.6,472.81 arc(-215.62,470.37) -218.53,466.02 ; -213.6,472.81 arc(-215.62,470.37) -218.53,466.02 ; -213.6,472.81 arc(-215.62,470.37) -218.53,466.02 ; -229.57,487.2 arc(-237.15,476.77) -242.39,464.99 ; -229.57,487.2 arc(-237.15,476.77) -242.39,464.99 ; -229.57,487.2 arc(-237.15,476.77) -242.39,464.99 ; -229.57,487.2 arc(-237.15,476.77) -242.39,464.99 ; -229.57,487.2 arc(-237.15,476.77) -242.39,464.99 ; -229.57,487.2 arc(-237.15,476.77) -242.39,464.99 ; -229.57,487.2 arc(-237.15,476.77) -242.39,464.99 ; -209.71,407.7 -214.79,400.16 ; -209.71,407.7 -214.51,400.58 ; -209.71,407.7 -214.79,400.16 ; -209.71,407.7 -214.51,400.58 ; -209.71,407.7 -214.79,400.16 ; -209.71,407.7 -214.79,400.16 ; -209.71,407.7 -214.79,400.16 ; -209.71,407.7 -214.79,400.16 ; -209.71,407.7 -214.79,400.16 ; -209.71,407.7 arc(-206.99,406.01) -204.17,404.51 ; -209.71,407.7 arc(-206.99,406.01) -204.17,404.51 ; -209.71,407.7 arc(-206.99,406.01) -204.17,404.51 ; -209.71,407.7 arc(-206.99,406.01) -204.17,404.51 ; -209.71,407.7 arc(-206.99,406.01) -204.17,404.51 ; -209.71,407.7 arc(-206.99,406.01) -204.17,404.51 ; -209.71,407.7 arc(-206.99,406.01) -204.17,404.51 ; -209.71,407.7 arc(-206.99,406.01) -204.17,404.51 ; -209.71,407.7 arc(-206.99,406.01) -204.17,404.51 ; -214.79,400.16 arc(-217.55,402.15) -211.54,398.13 ; -214.79,400.16 arc(-217.55,402.15) -211.54,398.13 ; -214.79,400.16 arc(-217.55,402.15) -211.54,398.13 ; -214.79,400.16 arc(-217.55,402.15) -211.54,398.13 ; -214.79,400.16 arc(-217.55,402.15) -211.54,398.13 ; -214.79,400.16 arc(-217.55,402.15) -211.54,398.13 ; -214.79,400.16 arc(-217.55,402.15) -211.54,398.13 ; -242.55,436.5 -227.74,441 ; -242.55,436.5 -227.74,441 ; -242.55,436.5 -227.74,441 ; -242.55,436.5 -227.74,441 ; -242.55,436.5 -227.74,441 ; -242.55,436.5 -227.74,441 ; -242.55,436.5 -227.74,441 ; -242.55,436.5 arc(-243.32,446.02) -242.55,455.54 ; -242.55,436.5 arc(-243.32,446.02) -242.55,455.54 ; -242.55,436.5 arc(-243.32,446.02) -242.55,455.54 ; -242.55,436.5 arc(-243.32,446.02) -242.55,455.54 ; -242.55,436.5 arc(-243.32,446.02) -242.55,455.54 ; -242.55,436.5 arc(-243.32,446.02) -242.55,455.54 ; -242.55,436.5 arc(-243.32,446.02) -242.55,455.54 ; -227.74,441 -242.06,436.58 ; -227.74,441 -242.06,436.58 ; -227.74,441 arc(-228.03,446.02) -227.74,451.04 ; -227.74,441 arc(-228.03,446.02) -227.74,451.04 ; -227.74,441 arc(-228.03,446.02) -227.74,451.04 ; -227.74,441 arc(-228.03,446.02) -227.74,451.04 ; -227.74,441 arc(-228.03,446.02) -227.74,451.04 ; -227.74,441 arc(-228.03,446.02) -227.74,451.04 ; -227.74,441 arc(-228.03,446.02) -227.74,451.04 ; -227.74,441 arc(-228.03,446.02) -227.74,451.04 ; -227.74,441 arc(-228.03,446.02) -227.74,451.04 ; -236.05,468.67 -225.41,466.3 ; -236.05,468.67 -225.41,466.3 ; -236.05,468.67 arc(-233.14,474.45) -229.58,479.87 ; -236.05,468.67 arc(-233.14,474.45) -229.58,479.87 ; -225.41,466.3 -236.51,468.87 ; -225.41,466.3 -236.51,468.87 ; -225.41,466.3 -236.51,468.87 ; -225.41,466.3 -236.51,468.87 ; -225.41,466.3 -236.51,468.87 ; -225.41,466.3 -236.51,468.87 ; -225.41,466.3 -236.51,468.87 ; -225.41,466.3 arc(-223.9,469.12) -222.21,471.84 ; -225.41,466.3 arc(-223.9,469.12) -222.21,471.84 ; -225.41,466.3 arc(-223.9,469.12) -222.21,471.84 ; -225.41,466.3 arc(-223.9,469.12) -222.21,471.84 ; -225.41,466.3 arc(-223.9,469.12) -222.21,471.84 ; -225.41,466.3 arc(-223.9,469.12) -222.21,471.84 ; -225.41,466.3 arc(-223.9,469.12) -222.21,471.84 ; -225.41,466.3 arc(-223.9,469.12) -222.21,471.84 ; -225.41,466.3 arc(-223.9,469.12) -222.21,471.84 ; -125.23,455.54 -140.04,451.04 ; -125.23,455.54 -140.04,451.04 ; -125.23,455.54 -140.04,451.04 ; -125.23,455.54 -140.04,451.04 ; -125.23,455.54 -140.04,451.04 ; -125.23,455.54 -140.04,451.04 ; -125.23,455.54 -140.04,451.04 ; -125.23,455.54 arc(-124.46,446.02) -125.23,436.5 ; -125.23,455.54 arc(-124.46,446.02) -125.23,436.5 ; -125.23,455.54 arc(-124.46,446.02) -125.23,436.5 ; -125.23,455.54 arc(-124.46,446.02) -125.23,436.5 ; -125.23,455.54 arc(-124.46,446.02) -125.23,436.5 ; -125.23,455.54 arc(-124.46,446.02) -125.23,436.5 ; -125.23,455.54 arc(-124.46,446.02) -125.23,436.5 ; -140.04,451.04 -125.72,455.46 ; -140.04,451.04 -125.72,455.46 ; -140.04,451.04 arc(-139.75,446.02) -140.04,441 ; -140.04,451.04 arc(-139.75,446.02) -140.04,441 ; -140.04,451.04 arc(-139.75,446.02) -140.04,441 ; -140.04,451.04 arc(-139.75,446.02) -140.04,441 ; -140.04,451.04 arc(-139.75,446.02) -140.04,441 ; -140.04,451.04 arc(-139.75,446.02) -140.04,441 ; -140.04,451.04 arc(-139.75,446.02) -140.04,441 ; -140.04,451.04 arc(-139.75,446.02) -140.04,441 ; -140.04,451.04 arc(-139.75,446.02) -140.04,441 ; -145.84,458.36 -125.86,464.83 ; -145.84,458.36 -125.39,464.99 ; -145.84,458.36 -125.39,464.99 ; -145.84,458.36 -125.86,464.83 ; -145.84,458.36 -125.39,464.99 ; -145.84,458.36 -125.39,464.99 ; -145.84,458.36 -125.39,464.99 ; -145.84,458.36 -125.39,464.99 ; -145.84,458.36 -125.39,464.99 ; -145.84,458.36 arc(-146.94,461.33) -149.25,466.02 ; -145.84,458.36 arc(-146.94,461.33) -149.25,466.02 ; -145.84,458.36 arc(-146.94,461.33) -149.25,466.02 ; -145.84,458.36 arc(-146.94,461.33) -149.25,466.02 ; -145.84,458.36 arc(-146.94,461.33) -149.25,466.02 ; -145.84,458.36 arc(-146.94,461.33) -149.25,466.02 ; -145.84,458.36 arc(-146.94,461.33) -149.25,466.02 ; -145.84,458.36 arc(-146.94,461.33) -149.25,466.02 ; -145.84,458.36 arc(-146.94,461.33) -149.25,466.02 ; -125.86,464.83 arc(-131.06,476.52) -138.58,486.87 ; -125.86,464.83 arc(-131.06,476.52) -138.58,486.87 ; -204.17,487.54 -208.16,495.71 ; -204.17,487.54 -208.16,495.71 ; -204.17,487.54 -207.94,495.26 ; -204.17,487.54 -208.16,495.71 ; -204.17,487.54 -208.16,495.71 ; -204.17,487.54 -208.16,495.71 ; -204.17,487.54 -207.94,495.26 ; -204.17,487.54 -208.16,495.71 ; -204.17,487.54 -208.16,495.71 ; -204.17,487.54 arc(-206.99,486.04) -209.71,484.34 ; -204.17,487.54 arc(-206.99,486.04) -209.71,484.34 ; -204.17,487.54 arc(-206.99,486.04) -209.71,484.34 ; -204.17,487.54 arc(-206.99,486.04) -209.71,484.34 ; -204.17,487.54 arc(-206.99,486.04) -209.71,484.34 ; -204.17,487.54 arc(-206.99,486.04) -209.71,484.34 ; -204.17,487.54 arc(-206.99,486.04) -209.71,484.34 ; -204.17,487.54 arc(-206.99,486.04) -209.71,484.34 ; -204.17,487.54 arc(-206.99,486.04) -209.71,484.34 ; -208.16,495.71 arc(-205.05,497.11) -211.54,493.91 ; -208.16,495.71 arc(-205.05,497.11) -211.54,493.91 ; -208.16,495.71 arc(-205.05,497.11) -211.54,493.91 ; -208.16,495.71 arc(-205.05,497.11) -211.54,493.91 ; -208.16,495.71 arc(-205.05,497.11) -211.54,493.91 ; -208.16,495.71 arc(-205.05,497.11) -211.54,493.91 ; -208.16,495.71 arc(-205.05,497.11) -211.54,493.91 ; -202.86,387.52 -198.82,406.69 ; -202.86,387.52 -198.82,406.69 ; -202.86,387.52 -198.82,406.69 ; -202.86,387.52 -198.82,406.69 ; -202.86,387.52 -198.82,406.69 ; -202.86,387.52 -198.82,406.69 ; -202.86,387.52 -198.82,406.69 ; -202.86,387.52 arc(-214.64,392.76) -225.07,400.34 ; -202.86,387.52 arc(-214.64,392.76) -225.07,400.34 ; -202.86,387.52 arc(-214.64,392.76) -225.07,400.34 ; -202.86,387.52 arc(-214.64,392.76) -225.07,400.34 ; -202.86,387.52 arc(-214.64,392.76) -225.07,400.34 ; -202.86,387.52 arc(-214.64,392.76) -225.07,400.34 ; -202.86,387.52 arc(-214.64,392.76) -225.07,400.34 ; -198.82,406.69 -202.7,388 ; -198.82,406.69 -202.7,388 ; -198.82,406.69 arc(-204.92,409.59) -210.49,413.43 ; -198.82,406.69 arc(-204.92,409.59) -210.49,413.43 ; -198.82,406.69 arc(-204.92,409.59) -210.49,413.43 ; -198.82,406.69 arc(-204.92,409.59) -210.49,413.43 ; -198.82,406.69 arc(-204.92,409.59) -210.49,413.43 ; -198.82,406.69 arc(-204.92,409.59) -210.49,413.43 ; -198.82,406.69 arc(-204.92,409.59) -210.49,413.43 ; -198.82,406.69 arc(-204.92,409.59) -210.49,413.43 ; -198.82,406.69 arc(-204.92,409.59) -210.49,413.43 ; -206.73,393.4 -204.17,404.51 ; -206.73,393.4 -204.17,404.51 ; -206.73,393.4 -204.17,404.51 ; -206.73,393.4 -204.17,404.51 ; -206.73,393.4 -204.17,404.51 ; -206.73,393.4 -204.17,404.51 ; -206.73,393.4 -204.17,404.51 ; -206.73,393.4 arc(-212.57,396.34) -218.04,399.93 ; -206.73,393.4 arc(-212.57,396.34) -218.04,399.93 ; -206.73,393.4 arc(-212.57,396.34) -218.04,399.93 ; -206.73,393.4 arc(-212.57,396.34) -218.04,399.93 ; -206.73,393.4 arc(-212.57,396.34) -218.04,399.93 ; -206.73,393.4 arc(-212.57,396.34) -218.04,399.93 ; -206.73,393.4 arc(-212.57,396.34) -218.04,399.93 ; -204.17,404.51 -206.53,393.86 ; -204.17,404.51 -206.53,393.86 ; -157.11,475.73 -143.04,491.33 ; -157.11,475.73 -142.71,491.7 ; -157.11,475.73 -143.04,491.33 ; -157.11,475.73 -142.71,491.7 ; -157.11,475.73 -142.71,491.7 ; -157.11,475.73 -142.71,491.7 ; -157.11,475.73 -142.71,491.7 ; -157.11,475.73 -142.71,491.7 ; -157.11,475.73 -142.71,491.7 ; -157.11,475.73 arc(-159.54,477.76) -163.89,480.66 ; -157.11,475.73 arc(-159.54,477.76) -163.89,480.66 ; -157.11,475.73 arc(-159.54,477.76) -163.89,480.66 ; -157.11,475.73 arc(-159.54,477.76) -163.89,480.66 ; -157.11,475.73 arc(-159.54,477.76) -163.89,480.66 ; -157.11,475.73 arc(-159.54,477.76) -163.89,480.66 ; -157.11,475.73 arc(-159.54,477.76) -163.89,480.66 ; -157.11,475.73 arc(-159.54,477.76) -163.89,480.66 ; -157.11,475.73 arc(-159.54,477.76) -163.89,480.66 ; -143.04,491.33 arc(-153.39,498.85) -165.08,504.05 ; -143.04,491.33 arc(-153.39,498.85) -165.08,504.05 ; -174.37,387.36 -178.87,402.17 ; -174.37,387.36 -178.87,402.17 ; -174.37,387.36 -178.87,402.17 ; -174.37,387.36 -178.87,402.17 ; -174.37,387.36 -178.87,402.17 ; -174.37,387.36 -178.87,402.17 ; -174.37,387.36 -178.87,402.17 ; -174.37,387.36 arc(-183.89,386.59) -193.41,387.36 ; -174.37,387.36 arc(-183.89,386.59) -193.41,387.36 ; -174.37,387.36 arc(-183.89,386.59) -193.41,387.36 ; -174.37,387.36 arc(-183.89,386.59) -193.41,387.36 ; -174.37,387.36 arc(-183.89,386.59) -193.41,387.36 ; -174.37,387.36 arc(-183.89,386.59) -193.41,387.36 ; -174.37,387.36 arc(-183.89,386.59) -193.41,387.36 ; -178.87,402.17 -174.45,387.85 ; -178.87,402.17 -174.45,387.85 ; -178.87,402.17 arc(-183.89,401.89) -188.91,402.17 ; -178.87,402.17 arc(-183.89,401.89) -188.91,402.17 ; -178.87,402.17 arc(-183.89,401.89) -188.91,402.17 ; -178.87,402.17 arc(-183.89,401.89) -188.91,402.17 ; -178.87,402.17 arc(-183.89,401.89) -188.91,402.17 ; -178.87,402.17 arc(-183.89,401.89) -188.91,402.17 ; -178.87,402.17 arc(-183.89,401.89) -188.91,402.17 ; -178.87,402.17 arc(-183.89,401.89) -188.91,402.17 ; -178.87,402.17 arc(-183.89,401.89) -188.91,402.17 ; -171.55,407.97 -164.92,387.52 ; -171.55,407.97 -164.92,387.52 ; -171.55,407.97 -165.08,388 ; -171.55,407.97 -164.92,387.52 ; -171.55,407.97 -164.92,387.52 ; -171.55,407.97 -165.08,388 ; -171.55,407.97 -164.92,387.52 ; -171.55,407.97 -164.92,387.52 ; -171.55,407.97 -164.92,387.52 ; -171.55,407.97 arc(-168.58,409.07) -163.89,411.38 ; -171.55,407.97 arc(-168.58,409.07) -163.89,411.38 ; -171.55,407.97 arc(-168.58,409.07) -163.89,411.38 ; -171.55,407.97 arc(-168.58,409.07) -163.89,411.38 ; -171.55,407.97 arc(-168.58,409.07) -163.89,411.38 ; -171.55,407.97 arc(-168.58,409.07) -163.89,411.38 ; -171.55,407.97 arc(-168.58,409.07) -163.89,411.38 ; -171.55,407.97 arc(-168.58,409.07) -163.89,411.38 ; -171.55,407.97 arc(-168.58,409.07) -163.89,411.38 ; -164.92,387.52 arc(-153.14,392.76) -142.71,400.34 ; -164.92,387.52 arc(-153.14,392.76) -142.71,400.34 ; -164.92,387.52 arc(-153.14,392.76) -142.71,400.34 ; -164.92,387.52 arc(-153.14,392.76) -142.71,400.34 ; -164.92,387.52 arc(-153.14,392.76) -142.71,400.34 ; -164.92,387.52 arc(-153.14,392.76) -142.71,400.34 ; -164.92,387.52 arc(-153.14,392.76) -142.71,400.34 ; -196.23,484.07 -202.86,504.52 ; -196.23,484.07 -202.86,504.52 ; -196.23,484.07 -202.86,504.52 ; -196.23,484.07 -202.7,504.05 ; -196.23,484.07 -202.86,504.52 ; -196.23,484.07 -202.86,504.52 ; -196.23,484.07 -202.7,504.05 ; -196.23,484.07 -202.86,504.52 ; -196.23,484.07 -202.86,504.52 ; -196.23,484.07 arc(-199.2,482.98) -203.89,480.66 ; -196.23,484.07 arc(-1